# Altium PCB as_x31.PcbDoc (part 4 of 8) (continued)
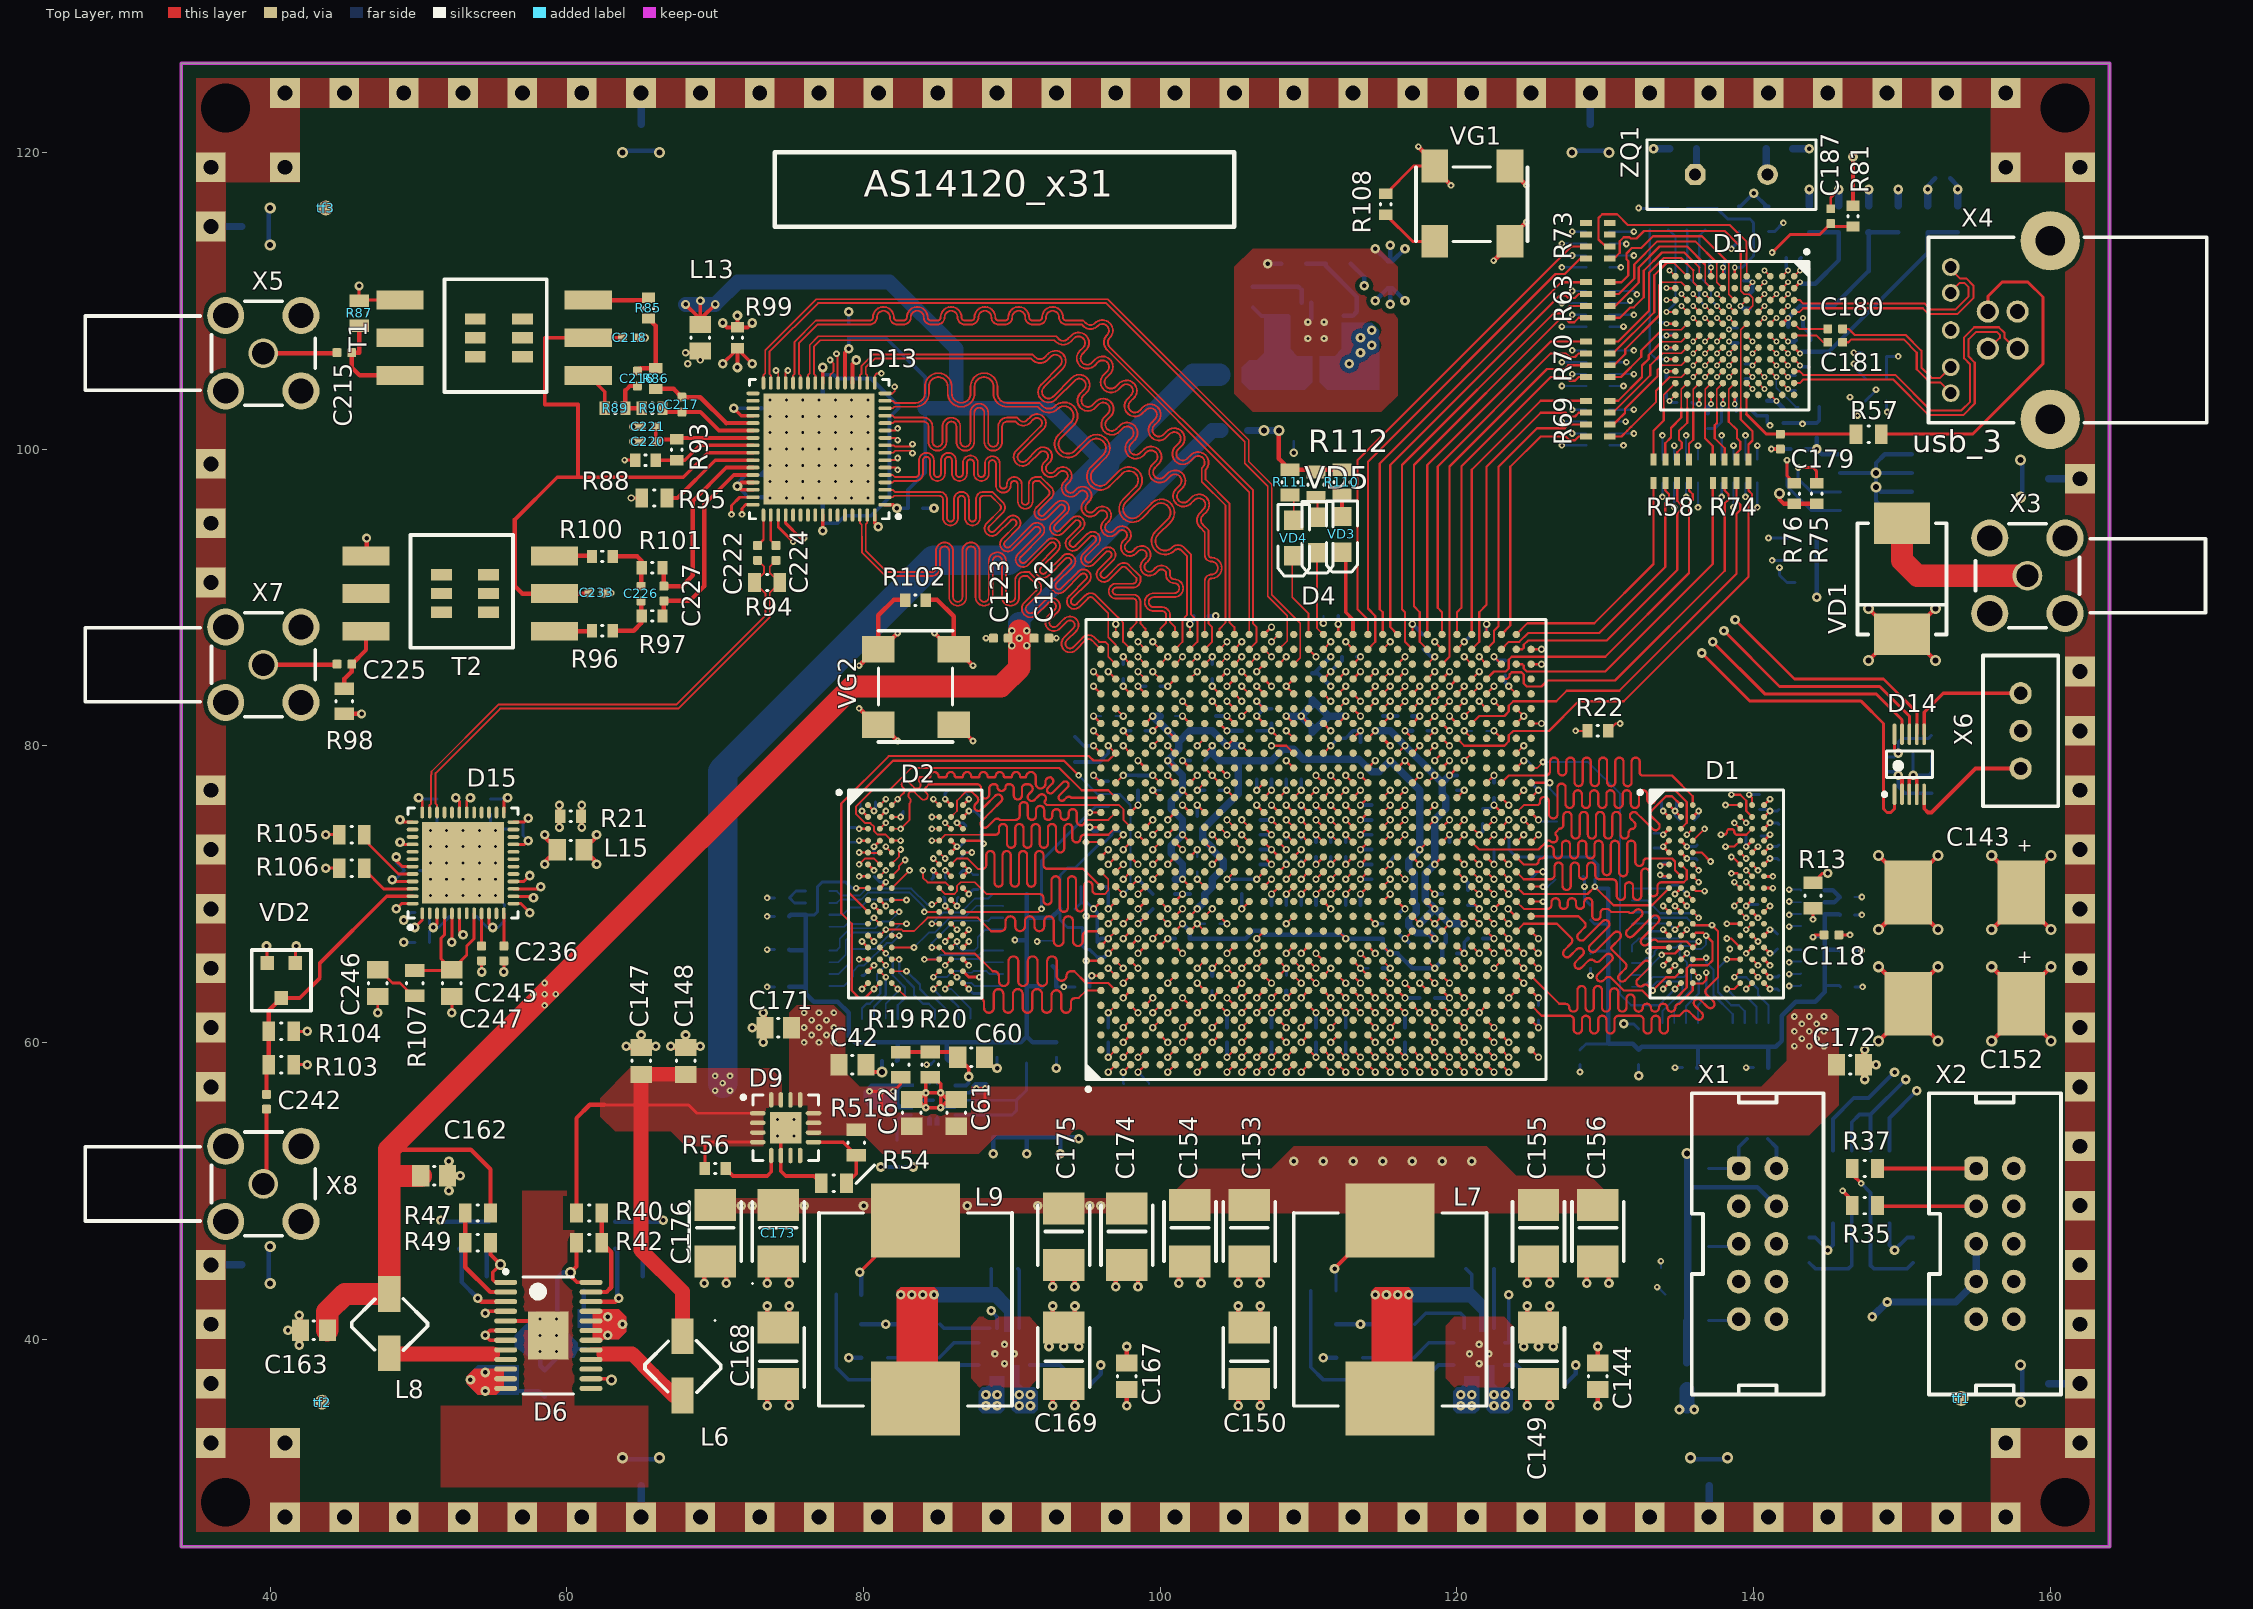
[diagram p0: Top Layer view]
## Nets (pads, with @x,y where several pads share a name; then routed paths per layer and width w, separated by ;. In a path a pad name is that pad's centre, name@x,y a point inside that pad or via, vN(x,y) a via of type N, cw(c..) or ccw(c..) an arc to the next point about the centre after c; other vN are vias at no path point) (continued)
ADC_DCO_N: D4.E28 D13.10 | length 55.6
  Top Layer w0.125: D13.10@81.45,100.75 82.15,100.75 v2(82.3,100.6) ; D4.E28@100,85.5 v1(100.5,86)
  int_1 w0.13: v2(82.3,100.6) 82.535,100.835 83.6,100.835 ccw(c83.6,101.805) 84.57,101.805 84.57,103.195 cw(c85.21,103.195) 85.85,103.195 85.85,101.805 ccw(c86.82,101.805) 87.79,101.805 87.79,103.195 cw(c88.43,103.195) 89.07,103.195 89.07,101.805 ccw(c90.04,101.805) 91.01,101.805 91.01,103.195 cw(c91.65,103.195) 92.29,103.195 92.29,101.805 ccw(c93.26,101.805) 93.26,100.835 95.265,100.835 95.379,100.721 ccw(c96.065,101.407) 96.751,100.721 96.949,100.919 cw(c97.402,100.466) 97.854,100.919 cw(c97.402,100.466) 98.042,100.466 cw(c97.402,100.466) 97.854,100.014 96.72,98.879 ccw(c97.406,98.193) 96.72,97.507 ccw(c97.406,98.193) 98.092,97.507 99.226,98.642 cw(c99.678,98.189) 100.131,98.642 cw(c99.678,98.189) 100.318,98.189 cw(c99.678,98.189) 100.131,97.737 98.997,96.602 ccw(c99.683,95.916) 98.997,95.231 ccw(c99.683,95.916) 100.369,95.231 cw(c100.619,94.98) 100.869,95.231 101.1,95 101.1,86.6 v1(100.5,86)
ADC_DCO_P: D4.F28 D13.11 | length 55.9
  Top Layer w0.125: D13.11@81.45,101.25 82.15,101.25 v2(82.3,101.4) ; D4.F28@101,85.5 v1(101.5,86)
  int_1 w0.13: v2(82.3,101.4) 82.535,101.165 83.6,101.165 ccw(c83.6,101.805) 84.24,101.805 84.24,103.195 cw(c85.21,103.195) 86.18,103.195 86.18,101.805 ccw(c86.82,101.805) 87.46,101.805 87.46,103.195 cw(c88.43,103.195) 89.4,103.195 89.4,101.805 ccw(c90.04,101.805) 90.68,101.805 90.68,103.195 cw(c91.65,103.195) 92.62,103.195 92.62,101.805 ccw(c93.26,101.805) 93.26,101.165 95.402,101.165 95.613,100.954 ccw(c96.065,101.407) 96.518,100.954 96.716,101.152 cw(c97.402,100.466) 98.087,101.152 cw(c97.402,100.466) 98.372,100.466 cw(c97.402,100.466) 98.087,99.78 96.953,98.646 ccw(c97.406,98.193) 96.953,97.741 ccw(c97.406,98.193) 97.858,97.741 98.993,98.875 cw(c99.678,98.189) 100.364,98.875 cw(c99.678,98.189) 100.648,98.189 cw(c99.678,98.189) 100.365,97.503 99.23,96.369 ccw(c99.683,95.916) 99.23,95.464 ccw(c99.683,95.916) 100.135,95.464 cw(c100.619,94.98) 101.103,95.464 101.5,95.067 v1(101.5,86)
ADC_SCLK: D4.K28 D13.48 | length 42.6
  Top Layer w0.15: D4.K28@105,85.5 v1(105.5,86)
  Top Layer w0.2: v2(71.8,95.6) 71.8,96 72.05,96.25 D13.48@72.55,96.25
  int_2 w0.2: v2(71.8,95.6) 74.65,92.75 103.15,92.75 106,89.9 106,86.5 v1(105.5,86)
ADC_SDIO: D4.L28 D13.47 | length 45
  Top Layer w0.15: D4.L28@106,85.5 v1(106.5,86)
  Top Layer w0.2: v2(71.1,95.6) 71.1,96.2 71.65,96.75 D13.47@72.55,96.75
  int_2 w0.2: v2(71.1,95.6) 74.45,92.25 102.35,92.25 105,89.6 105,85.828 105.328,85.5 106,85.5 v1(106.5,86)
ADC_SYNC: D4.M27 D13.52 | length 43.1
  Top Layer w0.15: D4.M27@107,84.5 v1(107.5,84)
  Top Layer w0.2: D13.52@74.75,95.55 74.75,95 75.75,94 v2(76,94)
  int_2 w0.2: v2(76,94) 76.25,93.75 104.85,93.75 108,90.6 108,84.5 v1(107.5,84)
AVDD: C190.2 C191.2 D10.A7 L12.2 | length 15.4
  Top Layer w0.2: D10.A7@142.729,106.846 v5(143.129,106.446)
  Bottom Layer w0.3: v5(143.129,106.446) 143.229,106.546 C190.2@143.729,106.546 145.046,106.546 151.75,113.25 L12.2@151.75,114.6 C191.2@153.75,114.6
B_485: R35.2 X2.3 | length 6.7
  Top Layer w0.25: R35.2@148.35,49 148.39,48.96 X2.3@155,48.96
CTRL0: D10.K8 R69.6 | length 7.5
  Top Layer w0.1: 133.829,105.646 135.129,105.646 D10.K8@135.529,106.046
  Top Layer w0.15: R69.6@130.3,101.65 130.55,101.65 130.925,102.025 130.925,102.036 131.189,102.3 131.2,102.3 131.325,102.425 131.325,102.725 133.529,104.929 133.529,105.346 133.829,105.646
CTRL1: D10.K7 R69.7 | length 7.4
  Top Layer w0.1: 133.829,106.446 135.129,106.446 D10.K7@135.529,106.846
  Top Layer w0.15: R69.7@130.3,102.45 130.499,102.45 133.025,104.976 133.025,105.642 133.829,106.446
CTRL2: D10.J7 R64.8 | length 7.1
  Top Layer w0.125: v5(135.929,106.446) D10.J7@136.329,106.846
  int_1 w0.125: 133.829,105.646 134.329,105.646 135.129,106.446 v5(135.929,106.446)
  int_1 w0.15: 133.425,105.646 133.829,105.646
  int_1 w0.2: v2(131.225,104.25) 131.825,104.25 133.221,105.646 133.425,105.646
  Bottom Layer w0.15: R64.8@130.3,104.25 v2(131.225,104.25)
CTRL3: D10.H7 R71.5 | length 9.2
  Top Layer w0.125: v5(136.729,106.446) D10.H7@137.129,106.846
  int_1 w0.125: 133.829,104.846 134.329,104.846 135.529,106.046 136.329,106.046 v5(136.729,106.446)
  int_1 w0.15: 133.083,104.846 133.829,104.846
  int_1 w0.2: v2(131.925,102.65) 131.925,103.688 133.083,104.846
  Bottom Layer w0.15: R71.5@130.275,102.65 v2(131.925,102.65)
CTRL4: D10.G7 R65.8 | length 8.2
  Top Layer w0.125: v5(137.529,106.446) D10.G7@137.929,106.846
  int_1 w0.125: 136.729,102.746 136.729,103.446 137.129,103.846 137.129,106.046 v5(137.529,106.446)
  int_1 w0.15: 136.729,102 136.729,102.746
  int_1 w0.2: v2(136.25,100.225) 136.729,100.704 136.729,102
  Bottom Layer w0.15: R65.8@136.25,99.3 v2(136.25,100.225)
CTRL5: D10.G6 R67.5 | length 9
  Top Layer w0.125: v5(137.529,107.246) D10.G6@137.929,107.646
  int_1 w0.125: 137.529,102.746 137.529,103.546 137.929,103.946 137.929,106.846 v5(137.529,107.246)
  int_1 w0.15: 137.529,102 137.529,102.746
  int_1 w0.2: 137.529,102 137.529,101.246 v2(137.85,100.925)
  Bottom Layer w0.15: R67.5@137.85,99.275 R67.5@137.85,99.3 v2(137.85,100.925)
CTRL6: D10.K6 R69.8 | length 7.7
  Top Layer w0.1: 133.829,107.246 135.129,107.246 D10.K6@135.529,107.646
  Top Layer w0.15: R69.8@130.3,103.25 130.875,103.25 132.475,104.85 132.475,105.625 132.925,106.075 132.925,106.342 133.829,107.246
CTRL7: D10.H8 R71.8 | length 10.5
  Top Layer w0.125: v5(136.729,105.646) D10.H8@137.129,106.046
  int_1 w0.125: 134.071,103.646 135.429,103.646 136.329,104.546 136.329,105.246 v5(136.729,105.646)
  int_1 w0.15: 133.338,101.512 133.338,102.912 134.071,103.646
  int_1 w0.2: v2(131.225,100.25) 132.075,100.25 133.338,101.512
  Bottom Layer w0.15: R71.8@130.3,100.25 v2(131.225,100.25)
CTRL8: D10.G5 R64.5 | length 8.7
  Top Layer w0.125: v5(137.529,108.846) D10.G5@137.929,108.446
  int_1 w0.125: 133.829,108.046 136.729,108.046 v5(137.529,108.846)
  int_1 w0.15: 133.321,108.046 133.829,108.046
  int_1 w0.2: v2(131.925,106.65) 133.321,108.046
  Bottom Layer w0.15: R64.5@130.275,106.65 v2(131.925,106.65)
CTRL9: D10.H6 R64.7 | length 7.9
  Top Layer w0.125: v5(136.729,107.246) D10.H6@137.129,107.646
  int_1 w0.125: 133.321,106.446 134.529,106.446 134.929,106.846 136.329,106.846 v5(136.729,107.246)
  int_1 w0.15: 133.05,106.175 133.321,106.446
  int_1 w0.2: v2(131.925,105.05) 133.05,106.175
  Bottom Layer w0.15: R64.7@130.275,105.05 v2(131.925,105.05)
CTRL10: D10.K5 R70.5 | length 7
  Top Layer w0.1: 133.829,108.046 135.129,108.046 D10.K5@135.529,108.446
  Top Layer w0.15: R70.5@130.3,104.85 131.061,104.85 132.425,106.214 132.425,106.642 133.829,108.046
CTRL11: D10.J5 R66.6 | length 6.7
  Top Layer w0.125: v5(135.929,108.846) D10.J5@136.329,108.446
  int_1 w0.125: 133.829,109.646 134.329,109.646 135.129,108.846 v5(135.929,108.846)
  int_1 w0.15: 133.083,109.646 133.829,109.646
  int_1 w0.2: v2(131.675,110) 132.029,109.646 133.083,109.646
  Bottom Layer w0.15: R66.6@130.3,109.85 131.525,109.85 v2(131.675,110)
CTRL12: D10.H5 R66.7 | length 7.4
  Top Layer w0.125: v5(136.729,108.846) D10.H5@137.129,108.446
  int_1 w0.125: 133.829,108.846 134.529,108.846 134.929,108.446 136.329,108.446 v5(136.729,108.846)
  int_1 w0.15: 133.083,108.846 133.829,108.846
  int_1 w0.2: v2(131.925,109.05) 132.129,108.846 133.083,108.846
  Bottom Layer w0.15: R66.7@130.275,109.05 R66.7@130.3,109.05 v2(131.925,109.05)
CY_CTRL0: D4.AG29 R69.3 | length 19.7
  Top Layer w0.15: D4.AG29@122,86.5 122.5,87 122.5,87.75 122.8,88.05 122.8,98.8 125.4,101.4 127.261,101.4 127.511,101.65 R69.3@128.7,101.65
CY_CTRL1: D4.AF29 R69.2 | length 21.1
  Top Layer w0.15: D4.AF29@121,86.5 121.5,87 121.5,89 122,89.5 122,98.8 125.65,102.45 127.339,102.45 127.589,102.2 127.961,102.2 128.211,102.45 R69.2@128.7,102.45
CY_CTRL2: D4.AD29 R64.1 | length 23.2
  Top Layer w0.15: v1(118.5,87) D4.AD29@119,86.5
  int_1 w0.15: v1(118.5,87) 118.5,88.25
  int_1 w0.2: 118.5,88.25 118.9,88.65 118.9,96.075 v2(127.075,104.25)
  Bottom Layer w0.15: v2(127.075,104.25) R64.1@128.725,104.25
CY_CTRL3: D4.AC27 R71.4 | length 23.9
  Top Layer w0.15: D4.AC27@118,84.5 v1(118.5,85)
  int_1 w0.15: v1(118.5,85) 119,85.5 119,88
  int_1 w0.2: 119,88 119.6,88.6 119.6,95.8 126.45,102.65 v2(127.775,102.65)
  Bottom Layer w0.15: v2(127.775,102.65) R71.4@128.7,102.65
CY_CTRL4: D4.AF26 R65.1 | length 24.8
  Top Layer w0.15: D4.AF26@121,83.5 v1(121.5,84)
  int_1 w0.15: v1(121.5,84) 122,83.5 122.75,83.5 123,83.75 123,84.25
  int_1 w0.2: 123,84.25 124.75,86 129.5,86 136.25,92.75 v2(136.25,96.075)
  Bottom Layer w0.15: v2(136.25,96.075) R65.1@136.25,97.725
CY_CTRL5: D4.AE25 R67.4 | length 27.3
  Top Layer w0.15: D4.AE25@120,82.5 v1(120.5,83)
  int_1 w0.15: v1(120.5,83) 121,82.5 122.75,82.5
  int_1 w0.2: 122.75,82.5 125.25,85 129.75,85 137.85,93.1 v2(137.85,96.775)
  Bottom Layer w0.15: v2(137.85,96.775) R67.4@137.85,97.7
CY_CTRL6: D4.AF30 R69.1 | length 20.7
  Top Layer w0.15: D4.AF30@121,87.5 121,98.6 125.65,103.25 127.775,103.25 R69.1@128.7,103.25
CY_CTRL7: D4.AF28 R71.1 | length 19.3
  Top Layer w0.15: v1(120.5,86) D4.AF28@121,85.5
  int_1 w0.2: v1(120.5,86) 121.5,87 121.5,94.675 v2(127.075,100.25)
  Bottom Layer w0.15: v2@127.075,100.25 R71.1@128.7,100.25 R71.1@128.725,100.25
CY_CTRL8: D4.AA26 R64.4 | length 30.3
  Top Layer w0.15: D4.AA26@116,83.5 v1(116.5,84)
  int_1 w0.15: v1(116.5,84) 117,84.5 117,87.5 116.5,88
  int_1 w0.2: 116.5,88 116.5,96.9 126.25,106.65 v2(127.775,106.65)
  Bottom Layer w0.15: v2(127.775,106.65) R64.4@128.7,106.65
CY_CTRL9: D4.AA25 R64.2 | length 29.2
  Top Layer w0.15: D4.AA25@116,82.5 v1(116.5,83)
  int_1 w0.15: v1(116.5,83) 117,83.5 117.75,83.5 118,83.75 118,88.5
  int_1 w0.2: 118,88.5 118.25,88.75 118.25,96.15 127.15,105.05 v2(127.775,105.05)
  Bottom Layer w0.15: v2(127.775,105.05) R64.2@128.7,105.05
CY_CTRL10: D4.AE30 R70.4 | length 22.6
  Top Layer w0.15: D4.AE30@120,87.5 120,89 120.3,89.3 120.3,98.825 126.325,104.85 127.339,104.85 127.589,104.6 127.961,104.6 128.093,104.732 128.211,104.85 R70.4@128.7,104.85
CY_CTRL11: D4.Y27 R66.3 | length 32.8
  Top Layer w0.125: D4.Y27@115,84.5 v1(115.5,85)
  int_1 w0.2: v1(115.5,85) 115,85.5 115,98.4 126.45,109.85 v2(127.075,109.85)
  Bottom Layer w0.15: v2(127.075,109.85) R66.3@128.725,109.85
CY_CTRL12: D4.Y26 R66.2 | length 32.8
  Top Layer w0.15: D4.Y26@115,83.5 v1(115.5,84)
  int_1 w0.15: v1(115.5,84) 116,84.5 116,87.25 115.5,87.75
  int_1 w0.2: 115.5,87.75 115.5,97.9 126.65,109.05 v2(127.775,109.05)
  Bottom Layer w0.15: v2(127.775,109.05) R66.2@128.7,109.05
CY_DQ0: D4.AF24 R74.3 | length 28.6
  Top Layer w0.15: D4.AF24@121,81.5 121.5,82 123.2,82 123.5,82.3 123.5,82.7 123.8,83 126.7,83 127.4,83.7 130.95,83.7 138.85,91.6 138.85,95.639 139.1,95.889 139.1,96.261 138.85,96.511 R74.3@138.85,97.7
CY_DQ1: D4.AF25 R67.3 | length 28.3
  Top Layer w0.15: v1(120.5,82) D4.AF25@121,82.5
  int_1 w0.15: v1(120.5,82) 123,82
  int_1 w0.2: 123,82 125.2,84.2 130.2,84.2 138.65,92.65 v2(138.65,96.075)
  Bottom Layer w0.15: v2(138.65,96.075) R67.3@138.65,97.725
CY_DQ2: D4.AD24 R67.1 | length 32.3
  Top Layer w0.15: D4.AD24@119,81.5 v1(119.5,81)
  int_1 w0.15: v1(119.5,81) 120,80.5 124,80.5
  int_1 w0.2: 124,80.5 126,82.5 131,82.5 140.25,91.75 v2(140.25,96.075)
  Bottom Layer w0.15: v2(140.25,96.075) R67.1@140.25,97.725
CY_DQ3: D4.AH27 R74.2 | length 25.4
  Top Layer w0.15: D4.AH27@123,84.5 123.4,84.5 123.55,84.65 123.55,84.8 123.7,84.95 124.35,84.95 124.5,84.8 124.5,84.2 124.7,84 125.7,84 126.1,84.4 130.65,84.4 138.05,91.8 138.05,96.339 138.3,96.589 138.3,96.961 138.05,97.211 R74.2@138.05,97.7
CY_DQ4: D4.AE26 R65.3 | length 23.7
  Top Layer w0.15: D4.AE26@120,83.5 v1(120.5,84)
  int_1 w0.15: v1(120.5,84) 120.5,84.75 121.25,85.5 122.75,85.5
  int_1 w0.2: 122.75,85.5 125.15,87.9 129.4,87.9 134.65,93.15 v2(134.65,96.075)
  Bottom Layer w0.15: v2(134.65,96.075) R65.3@134.65,97.725
CY_DQ5: D4.AC24 R67.2 | length 31.8
  Top Layer w0.15: D4.AC24@118,81.5 v1(118.5,82)
  int_1 w0.15: v1(118.5,82) 119,81.5 123.25,81.5
  int_1 w0.2: 123.25,81.5 125.15,83.4 130.65,83.4 139.45,92.2 v2(139.45,96.775)
  Bottom Layer w0.15: v2(139.45,96.775) R67.2@139.45,97.7
CY_DQ6: D4.AJ28 R74.1 | length 22
  Top Layer w0.15: D4.AJ28@124,85.5 124.4,85.5 124.5,85.4 124.5,85.2 124.7,85 130,85 137.25,92.25 R74.1@137.25,97.7
CY_DQ7: D4.AD25 R65.2 | length 25.8
  Top Layer w0.15: D4.AD25@119,82.5 v1(119.5,83)
  int_1 w0.15: v1(119.5,83) 120,83.5 120.75,83.5 121,83.75 121,84.25 121.25,84.5 122.5,84.5
  int_1 w0.2: 122.5,84.5 125.2,87.2 129.7,87.2 135.45,92.95 v2(135.45,96.775)
  Bottom Layer w0.15: v2(135.45,96.775) R65.2@135.45,97.7
CY_DQ8: D4.AG27 R58.4 | length 23.2
  Top Layer w0.15: D4.AG27@122,84.5 122.5,85 123.3,85 123.5,85.2 123.5,85.8 123.7,86 130,86 135.65,91.65 135.65,96.339 135.9,96.589 135.9,96.961 135.65,97.211 R58.4@135.65,97.7
CY_DQ9: D4.AC26 R71.2 | length 23.5
  Top Layer w0.15: D4.AC26@118,83.5 v1(118.5,84)
  int_1 w0.15: v1(118.5,84) 119,84.5 119.75,84.5 120,84.75 120,87.25
  int_1 w0.2: 120,87.25 120.9,88.15 120.9,95.1 126.85,101.05 v2(127.775,101.05)
  Bottom Layer w0.15: v2(127.775,101.05) R71.2@128.7,101.05
CY_DQ10: D4.AJ29 R58.3 | length 19.2
  Top Layer w0.15: D4.AJ29@124,86.5 124.4,86.5 124.5,86.6 124.5,86.8 124.8,87.1 130.1,87.1 134.85,91.85 134.85,95.639 135.1,95.889 135.1,96.261 134.85,96.511 R58.3@134.85,97.7
CY_DQ11: D4.AJ30 R58.1 | length 16.7
  Top Layer w0.15: D4.AJ30@124,87.5 124.75,88.25 129.25,88.25 133.25,92.25 133.25,97.211 R58.1@133.25,97.7
CY_DQ12: D4.AH29 R58.2 | length 19.2
  Top Layer w0.15: D4.AH29@123,86.5 123.5,87 124.2,87 124.8,87.6 129.6,87.6 134.05,92.05 134.05,96.339 134.3,96.589 134.3,96.961 134.05,97.211 R58.2@134.05,97.7
CY_DQ13: D4.AH30 R69.4 | length 17.7
  Top Layer w0.15: D4.AH30@123,87.5 123.6,88.1 123.6,98.8 125.65,100.85 127.339,100.85 127.589,100.6 127.961,100.6 128.211,100.85 R69.4@128.7,100.85
CY_DQ14: D4.AD27 R71.3 | length 22.7
  Top Layer w0.15: D4.AD27@119,84.5 v1(119.5,85)
  int_1 w0.15: v1(119.5,85) 119.5,87.75
  int_1 w0.2: 119.5,87.75 120.3,88.55 120.3,95.6 126.55,101.85 v2(127.075,101.85)
  Bottom Layer w0.15: v2(127.075,101.85) R71.3@128.725,101.85
CY_DQ15: D4.AG28 R65.4 | length 20.5
  Top Layer w0.15: v1(121.5,86) D4.AG28@122,85.5
  int_1 w0.2: v1(121.5,86) 124.1,88.6 129.1,88.6 133.85,93.35 v2(133.85,96.775)
  Bottom Layer w0.15: v2(133.85,96.775) R65.4@133.85,97.7
CY_DQ16: D4.AD28 R70.3 | length 25.6
  Top Layer w0.15: D4.AD28@119,85.5 119.5,86 119.5,98.825 126.075,105.4 127.261,105.4 127.511,105.65 R70.3@128.7,105.65
CY_DQ17: D4.W27 R66.4 | length 33.7
  Top Layer w0.15: D4.W27@114,84.5 v1(114.5,85)
  int_1 w0.2: v1(114.5,85) 114.5,99 126.15,110.65 v2(127.775,110.65)
  Bottom Layer w0.15: v2(127.775,110.65) R66.4@128.7,110.65
CY_DQ18: D4.AD30 R70.2 | length 24.8
  Top Layer w0.15: D4.AD30@119,87.5 119,89 118.7,89.3 118.7,98.825 126.325,106.45 127.339,106.45 127.589,106.2 127.961,106.2 128.211,106.45 R70.2@128.7,106.45
CY_DQ19: D4.AC30 R70.1 | length 25.6
  Top Layer w0.15: D4.AC30@118,87.5 118,98.925 126.325,107.25 128.211,107.25 R70.1@128.7,107.25
CY_DQ20: D4.V27 R72.1 | length 35.4
  Top Layer w0.15: D4.V27@113,84.5 v1(113.5,85)
  int_1 w0.2: v1(113.5,85) 114,85.5 114,99.5 126.75,112.25 v2(127.075,112.25)
  Bottom Layer w0.15: v2(127.075,112.25) R72.1@128.725,112.25
CY_DQ21: D4.AC29 R63.4 | length 28.7
  Top Layer w0.15: D4.AC29@118,86.5 117.5,87 117.5,89 117.1,89.4 117.1,98.925 126.9,108.725 127.375,108.725 127.55,108.55 127.911,108.55 128.211,108.85 R63.4@128.7,108.85
CY_DQ22: D4.AB29 R63.3 | length 29.6
  Top Layer w0.15: D4.AB29@117,86.5 116.5,87 116.5,89 116.3,89.2 116.3,98.925 126.525,109.15 127.1,109.15 127.6,109.65 R63.3@128.7,109.65
CY_DQ23: D4.V29 R72.3 | length 35.7
  Top Layer w0.15: v1(112.5,87) D4.V29@113,86.5
  int_1 w0.15: v1(112.5,87) 112.5,88.75
  int_1 w0.2: 112.5,88.75 112.75,89 112.75,100.25 126.35,113.85 v2(127.075,113.85)
  Bottom Layer w0.15: v2(127.075,113.85) R72.3@128.725,113.85
CY_DQ24: D4.U27 R72.2 | length 36.8
  Top Layer w0.15: D4.U27@112,84.5 v1(112.5,85)
  int_1 w0.15: v1(112.5,85) 113,85.5 113,88.25
  int_1 w0.2: 113,88.25 113.4,88.65 113.4,99.9 126.65,113.15 127.675,113.15 v2(127.775,113.05)
  Bottom Layer w0.15: v2(127.775,113.05) R72.2@128.7,113.05
CY_DQ25: D4.AA30 R63.2 | length 29.8
  Top Layer w0.15: D4.AA30@116,87.5 115.5,88 115.5,98.925 126.95,110.375 127.325,110.375 127.525,110.175 127.936,110.175 128.211,110.45 R63.2@128.7,110.45
CY_DQ26: D4.T29 R72.4 | length 37
  Top Layer w0.15: D4.T29@111,86.5 v1(111.5,87)
  int_1 w0.15: v1(111.5,87) 111.5,88.75
  int_1 w0.2: 111.5,88.75 112.1,89.35 112.1,100.6 126.15,114.65 v2(127.775,114.65)
  Bottom Layer w0.15: v2(127.775,114.65) R72.4@128.7,114.65
CY_DQ27: D4.Y30 R63.1 | length 30.6
  Top Layer w0.15: D4.Y30@115,87.5 115,89 114.8,89.2 114.8,99.025 127.025,111.25 R63.1@128.7,111.25
CY_DQ28: D4.AA28 R66.1 | length 29.5
  Top Layer w0.15: D4.AA28@116,85.5 v1(116.5,86)
  int_1 w0.15: 116,87.75 116.5,87.25 v1(116.5,86)
  int_1 w0.2: 116,87.75 116,97.4 126.85,108.25 v2(127.075,108.25)
  Bottom Layer w0.15: v2(127.075,108.25) R66.1@128.725,108.25
CY_DQ29: D4.W30 R73.3 | length 33.4
  Top Layer w0.15: D4.W30@114,87.5 114,88.5 113.3,89.2 113.3,99.25 127.7,113.65 R73.3@128.7,113.65
CY_DQ30: D4.AE23 R74.4 | length 31.3
  Top Layer w0.15: D4.AE23@120,80.5 120.5,80 123.2,80 123.5,80.3 123.5,80.7 123.8,81 126.2,81 128.2,83 131.25,83 139.65,91.4 139.65,96.339 139.9,96.589 139.9,96.961 139.65,97.211 R74.4@139.65,97.7
CY_DQ31: D4.W29 R73.4 | length 33.4
  Top Layer w0.15: D4.W29@114,86.5 114.5,87 114.5,88.75 114,89.25 114,99.15 126.65,111.8 127.261,111.8 128.311,112.85 R73.4@128.7,112.85
CY_G: D10.D7 VG1.3 | length 25
  Top Layer w0.125: v5(139.929,106.446) D10.D7@140.329,106.846
  Top Layer w0.3: VG1.3@123.58,119.28 123.58,118.88 v2(124.68,117.78)
  int_1 w0.125: 137.883,112.867 138.329,112.421 138.329,112.046 138.729,111.646 138.729,107.646 v5(139.929,106.446)
  int_1 w0.15: v2(124.68,117.78) 125.21,117.25 133.5,117.25 137.883,112.867
CY_PCLK: D4.AB26 R64.3 | length 36.3
  Top Layer w0.15: D4.AB26@117,83.5 v1(117.5,84)
  int_1 w0.15: v1(117.5,84) 117.5,85.336
  int_1 w0.2: 117.5,85.336 117.5,89.3 cw(c117.554,89.65) 117.5,90 ccw(c117.446,90.35) 117.5,90.7 cw(c117.554,91.05) 117.5,91.4 ; 117.5,91.4 ccw(c117.446,91.75) 117.5,92.1 cw(c117.554,92.45) 117.5,92.8 ccw(c117.446,93.15) 117.5,93.5 cw(c117.554,93.85) 117.5,94.2 ccw(c117.446,94.55) 117.5,94.9 cw(c117.554,95.25) 117.5,95.6 ccw(c117.446,95.95) 117.5,96.3 117.5,96.7 118.1,97.3 cw(c118.386,97.509) 118.595,97.795 ccw(c118.804,98.081) 119.09,98.29 cw(c119.376,98.499) 119.585,98.785 ccw(c119.794,99.071) 120.08,99.28 cw(c120.366,99.489) 120.575,99.775 ccw(c120.784,100.061) 121.07,100.27 cw(c121.356,100.479) 121.565,100.765 ccw(c121.774,101.051) 122.06,101.26 cw(c122.346,101.469) 122.555,101.755 ccw(c122.764,102.041) 123.05,102.25 cw(c123.336,102.459) 123.545,102.745 ccw(c123.754,103.031) 124.04,103.24 cw(c124.325,103.449) 124.535,103.735 ccw(c124.744,104.02) 125.03,104.23 cw(c125.315,104.439) 125.525,104.725 ccw(c125.734,105.01) 126.02,105.22 126.65,105.85 v2(127.075,105.85)
  Bottom Layer w0.15: v2(127.075,105.85) R64.3@128.725,105.85
CY_SCL: D10.D9 D11.6 R75.1 | length 13.7
  Top Layer w0.125: D10.D9@140.329,105.246 v5(140.729,104.846)
  Top Layer w0.2: v2(143,98.75) 144,98.75 144.25,98.5 R75.1@144.25,97.7
  int_1 w0.15: v5(140.729,104.846) 142.5,103.075
  int_1 w0.2: 142.5,103.075 142.5,100 143,99.5 v2(143,98.75)
  Bottom Layer w0.2: v2(143,98.75) 143,98 143.885,97.115 D11.6@145.85,97.115
CY_SDA: D10.D10 D11.5 R76.1 | length 13.8
  Top Layer w0.125: D10.D10@140.329,104.446 v5(140.729,104.046)
  Top Layer w0.2: v2(142.25,99.25) 142.25,98.2 R76.1@142.75,97.7
  int_1 w0.15: v5(140.729,104.046) 140.729,102.746 141.75,101.725
  int_1 w0.2: 141.75,101.725 141.75,99.75 v2(142.25,99.25)
  Bottom Layer w0.2: v2(142.25,99.25) 142.25,97.5 143.905,95.845 D11.5@145.85,95.845
D0: D10.F10 R74.6 | length 5.7
  Top Layer w0.1: 138.329,102.746 138.329,104.046 D10.F10@138.729,104.446
  Top Layer w0.15: 138.329,102.746 138.329,101.846 138.875,101.3 138.875,100.725 139.1,100.5 139.1,99.975 138.85,99.725 R74.6@138.85,99.3
D1: D10.F9 R67.6 | length 6.2
  Top Layer w0.125: v5(138.329,104.846) D10.F9@138.729,105.246
  int_1 w0.125: 138.329,102.746 v5(138.329,104.846)
  int_1 w0.15: 138.329,102 138.329,102.746
  int_1 w0.2: 138.329,102 138.329,101.554 138.65,101.233 v2(138.65,100.225)
  Bottom Layer w0.15: R67.6@138.65,99.3 v2(138.65,100.225)
D2: D10.F7 R67.8 | length 8.5
  Top Layer w0.125: v5(138.329,106.446) D10.F7@138.729,106.846
  int_1 w0.125: v5(138.329,106.446) 139.529,105.246 139.529,102.746
  int_1 w0.15: 139.529,102 139.529,102.746
  int_1 w0.2: 139.529,102 139.529,101.554 140.25,100.833 v2(140.25,100.225)
  Bottom Layer w0.15: R67.8@140.25,99.3 v2(140.25,100.225)
D3: D10.G10 R74.7 | length 5.7
  Top Layer w0.1: 137.529,102.746 137.529,104.046 D10.G10@137.929,104.446
  Top Layer w0.15: 137.529,102.746 137.529,101.754 137.375,101.6 137.375,100.725 138.05,100.05 R74.7@138.05,99.3
D4: D10.G9 R65.6 | length 7.7
  Top Layer w0.125: v5(137.529,104.846) D10.G9@137.929,105.246
  int_2 w0.125: 135.229,102.646 135.229,102.846 136.329,103.946 137.029,103.946 137.529,104.446 v5(137.529,104.846)
  int_2 w0.15: 135.229,101.629 135.229,102.646
  int_2 w0.2: v2(134.65,100.225) 134.65,101.05 135.229,101.629
  Bottom Layer w0.15: R65.6@134.65,99.3 v2(134.65,100.225)
D5: D10.F8 R67.7 | length 7.4
  Top Layer w0.125: v5(138.329,105.646) D10.F8@138.729,106.046
  int_1 w0.125: v5(138.329,105.646) 139.129,104.846 139.129,102.746
  int_1 w0.15: 139.129,102 139.129,102.746
  int_1 w0.2: 139.129,102 139.129,101.246 v2(139.45,100.925)
  Bottom Layer w0.15: R67.7@139.45,99.275 R67.7@139.45,99.3 v2(139.45,100.925)
D6: D10.H10 R74.8 | length 5.5
  Top Layer w0.1: 136.729,102.746 136.729,104.046 D10.H10@137.129,104.446
  Top Layer w0.15: 136.729,102.746 136.729,100.721 137.25,100.2 R74.8@137.25,99.3
D7: D10.H9 R65.7 | length 6.7
  Top Layer w0.125: v5(136.729,104.846) D10.H9@137.129,105.246
  int_1 w0.125: 135.829,102.746 135.829,103.246 136.729,104.146 v5(136.729,104.846)
  int_1 w0.15: 135.829,102 135.829,102.746
  int_1 w0.2: v2(135.45,100.925) 135.829,101.304 135.829,102
  Bottom Layer w0.15: R65.7@135.45,99.275 v2(135.45,100.925)
D8: D10.J10 R58.5 | length 5.4
  Top Layer w0.1: 135.929,102.746 135.929,104.046 D10.J10@136.329,104.446
  Top Layer w0.15: R58.5@135.65,99.3 135.65,100.35 135.929,100.629 135.929,102.746
D9: D10.J9 R71.7 | length 8.4
  Top Layer w0.125: v5(135.929,104.846) D10.J9@136.329,105.246
  int_1 w0.125: 133.829,104.046 135.129,104.046 v5(135.929,104.846)
  int_1 w0.2: v2(131.925,101.05) 132.875,102 132.875,103.092 133.829,104.046
  Bottom Layer w0.15: R71.7@130.275,101.05 v2(131.925,101.05)
D10: D10.K11 R58.6 | length 4.8
  Top Layer w0.1: 135.529,102.746 D10.K11@135.529,103.646
  Top Layer w0.15: R58.6@134.85,99.3 134.85,99.789 135.15,100.089 135.15,100.45 134.975,100.625 134.975,101.225 135.529,101.779 135.529,102.746
D11: D10.L10 R58.8 | length 5.8
  Top Layer w0.125: 133.942,102.759 133.942,103.659 D10.L10@134.729,104.446
  Top Layer w0.15: R58.8@133.25,99.3 133.25,101.225 133.942,101.917 133.942,102.759
D12: D10.K10 R58.7 | length 5.8
  Top Layer w0.1: 135.129,102.746 135.129,104.046 D10.K10@135.529,104.446
  Top Layer w0.15: R58.7@134.05,99.3 134.05,100.4 134.425,100.775 134.425,101.425 135.129,102.129 135.129,102.746
D13: D10.K9 R69.5 | length 7.5
  Top Layer w0.1: 134.329,104.846 135.129,104.846 D10.K9@135.529,105.246
  Top Layer w0.15: R69.5@130.3,100.85 131.1,100.85 131.475,101.225 131.475,101.236 131.739,101.5 131.75,101.5 133.429,103.179 133.429,103.946 134.329,104.846
D14: D10.J8 R71.6 | length 8.4
  Top Layer w0.125: v5(135.929,105.646) D10.J8@136.329,106.046
  int_1 w0.125: 133.829,104.446 134.729,104.446 v5(135.929,105.646)
  int_1 w0.15: 133.471,104.446 133.829,104.446
  int_1 w0.2: v2(131.375,101.85) 131.975,101.85 132.425,102.3 132.425,103.4 133.471,104.446
  Bottom Layer w0.15: R71.6@130.3,101.85 v2(131.375,101.85)
D15: D10.G8 R65.5 | length 8.9
  Top Layer w0.125: v5(137.529,105.646) D10.G8@137.929,106.046
  int_2 w0.125: 134.829,102.646 134.829,103.146 136.029,104.346 136.829,104.346 137.129,104.646 137.129,105.246 v5(137.529,105.646)
  int_2 w0.15: 134.825,101.9 134.829,101.9 134.829,102.646
  int_2 w0.2: v2(133.85,100.925) 134.825,101.9
  Bottom Layer w0.15: R65.5@133.85,99.275 v2(133.85,100.925)
D16: D10.K2 R70.6 | length 9.1
  Top Layer w0.1: 133.829,111.246 135.129,111.246 D10.K2@135.529,110.846
  Top Layer w0.15: R70.6@130.3,105.65 130.589,105.65 131.35,106.411 131.35,106.725 133.629,109.004 133.629,111.046 133.829,111.246
D17: D10.J4 R66.5 | length 6.7
  Top Layer w0.125: v5(135.929,109.646) D10.J4@136.329,109.246
  int_1 w0.125: 133.829,110.446 134.429,110.446 134.829,110.046 135.529,110.046 v5(135.929,109.646)
  int_1 w0.15: 133.083,110.446 133.829,110.446
  int_1 w0.2: v2@132.125,110.446 133.083,110.446
  Bottom Layer w0.15: R66.5@130.275,110.65 R66.5@130.3,110.65 131.925,110.65 132.125,110.45 v2(132.125,110.425)
D18: D10.K1 R70.7 | length 9.6
  Top Layer w0.125: 134.129,112.546 134.629,112.546 D10.K1@135.529,111.646
  Top Layer w0.15: R70.7@130.3,106.45 130.525,106.45 133.3,109.225 133.3,111.717 134.129,112.546
D19: D10.J2 R70.8 | length 11.2
  Top Layer w0.1: 135.929,112.046 135.929,111.246 D10.J2@136.329,110.846
  Top Layer w0.15: R70.8@130.3,107.25 130.875,107.25 132.95,109.325 132.95,111.875 133.95,112.875 135.1,112.875 135.929,112.046
D20: D10.J3 R72.8 | length 6.9
  Top Layer w0.125: v5(135.929,110.446) D10.J3@136.329,110.046
  int_1 w0.125: 133.829,111.246 134.529,111.246 134.929,110.846 135.529,110.846 v5(135.929,110.446)
  int_1 w0.15: 133.083,111.246 133.829,111.246
  int_1 w0.2: v2(131.05,112.25) 132.054,111.246 133.083,111.246
  Bottom Layer w0.15: R72.8@130.3,112.25 v2(131.05,112.25)
D21: D10.J1 R63.5 | length 9.9
  Top Layer w0.1: D10.J1@136.329,111.646 136.329,112.246
  Top Layer w0.15: R63.5@130.3,108.85 131,108.85 131.7,109.55 131.925,109.55 132.6,110.225 132.6,112.025 133.825,113.25 135.325,113.25 136.329,112.246
D22: D10.H2 R63.6 | length 10.9
  Top Layer w0.1: 136.729,112.446 136.729,111.246 D10.H2@137.129,110.846
  Top Layer w0.15: R63.6@130.3,109.65 130.675,109.65 132.25,111.225 132.25,112.241 133.659,113.65 135.525,113.65 136.729,112.446
D23: D10.H3 R72.6 | length 8.8
  Top Layer w0.125: v5(136.729,110.446) D10.H3@137.129,110.046
  int_1 w0.125: 133.275,112.925 133.754,112.446 135.329,112.446 136.729,111.046 v5(136.729,110.446)
  int_1 w0.2: v2(131.425,113.825) 132.375,113.825 133.275,112.925
  Bottom Layer w0.15: R72.6@130.3,113.85 131.4,113.85 v2(131.425,113.825)
D24: D10.F4 R72.7 | length 10.2
  Top Layer w0.125: v5(138.329,109.646) D10.F4@138.729,109.246
  int_1 w0.125: 133.829,111.646 135.276,111.646 136.329,110.593 136.329,110.299 136.582,110.046 137.929,110.046 v5(138.329,109.646)
  int_1 w0.15: 133.329,111.646 133.829,111.646
  int_1 w0.2: v2(131.925,113.05) 133.329,111.646
  Bottom Layer w0.15: R72.7@130.275,113.05 v2(131.925,113.05)
D25: D10.G2 R63.7 | length 11.7
  Top Layer w0.1: 137.529,112.546 137.529,111.246 D10.G2@137.929,110.846
  Top Layer w0.15: R63.7@130.3,110.45 130.9,110.45 131.95,111.5 131.95,112.439 133.511,114 136.075,114 137.529,112.546
D26: D10.G3 R72.5 | length 9.8
  Top Layer w0.125: v5(137.529,110.446) D10.G3@137.929,110.046
  int_1 w0.125: 135.529,112.846 137.529,110.846 v5(137.529,110.446)
  int_1 w0.15: v2(131.925,114.65) 133.725,114.65 135.529,112.846
  Bottom Layer w0.15: R72.5@130.275,114.65 v2(131.925,114.65)
D27: D10.F3 R63.8 | length 13.8
  Top Layer w0.1: 138.329,112.546 138.329,110.446 D10.F3@138.729,110.046
  Top Layer w0.15: R63.8@130.3,111.25 131.1,111.25 131.55,111.7 131.55,112.675 131.425,112.8 131.425,113.186 131.792,113.553 132.422,113.553 133.218,114.35 136.525,114.35 138.329,112.546
D28: D10.F5 R66.8 | length 9
  Top Layer w0.125: v5(138.329,108.846) D10.F5@138.729,108.446
  int_2 w0.125: 133.421,108.046 134.829,108.046 135.229,108.446 137.929,108.446 v5(138.329,108.846)
  int_2 w0.2: v2(131.225,108.25) 131.429,108.046 133.421,108.046
  Bottom Layer w0.15: R66.8@130.3,108.25 v2(131.225,108.25)
D29: D10.E1 R73.6 | length 15.6
  Top Layer w0.1: D10.E1@139.529,111.646 139.529,112.546
  Top Layer w0.15: R73.6@130.3,113.65 130.025,113.65 129.55,114.125 129.55,115.575 129.8,115.825 130.8,115.825 131.525,115.1 138.4,115.1 139.529,113.971 139.529,112.546